# Altium PCB roach2.PcbDoc (part 8 of 39)
Units mil, origin at the board's own origin, x right, y up, seen from the top; angles counter-clockwise.
Board outline 12007.87 x 9606.3 mil, 16 copper layers (L1_TOP, L2_G, L3_S, L4_G, L5_S, L6_P, L7_G, L8_R, L9_R, L10_P, L11_P, L12_S, L13_P, L14_S, L15_G, L16_BOT), stack 81.651 mil thick; 1608 components, 1934 nets, 9335 pads, 6759 vias.
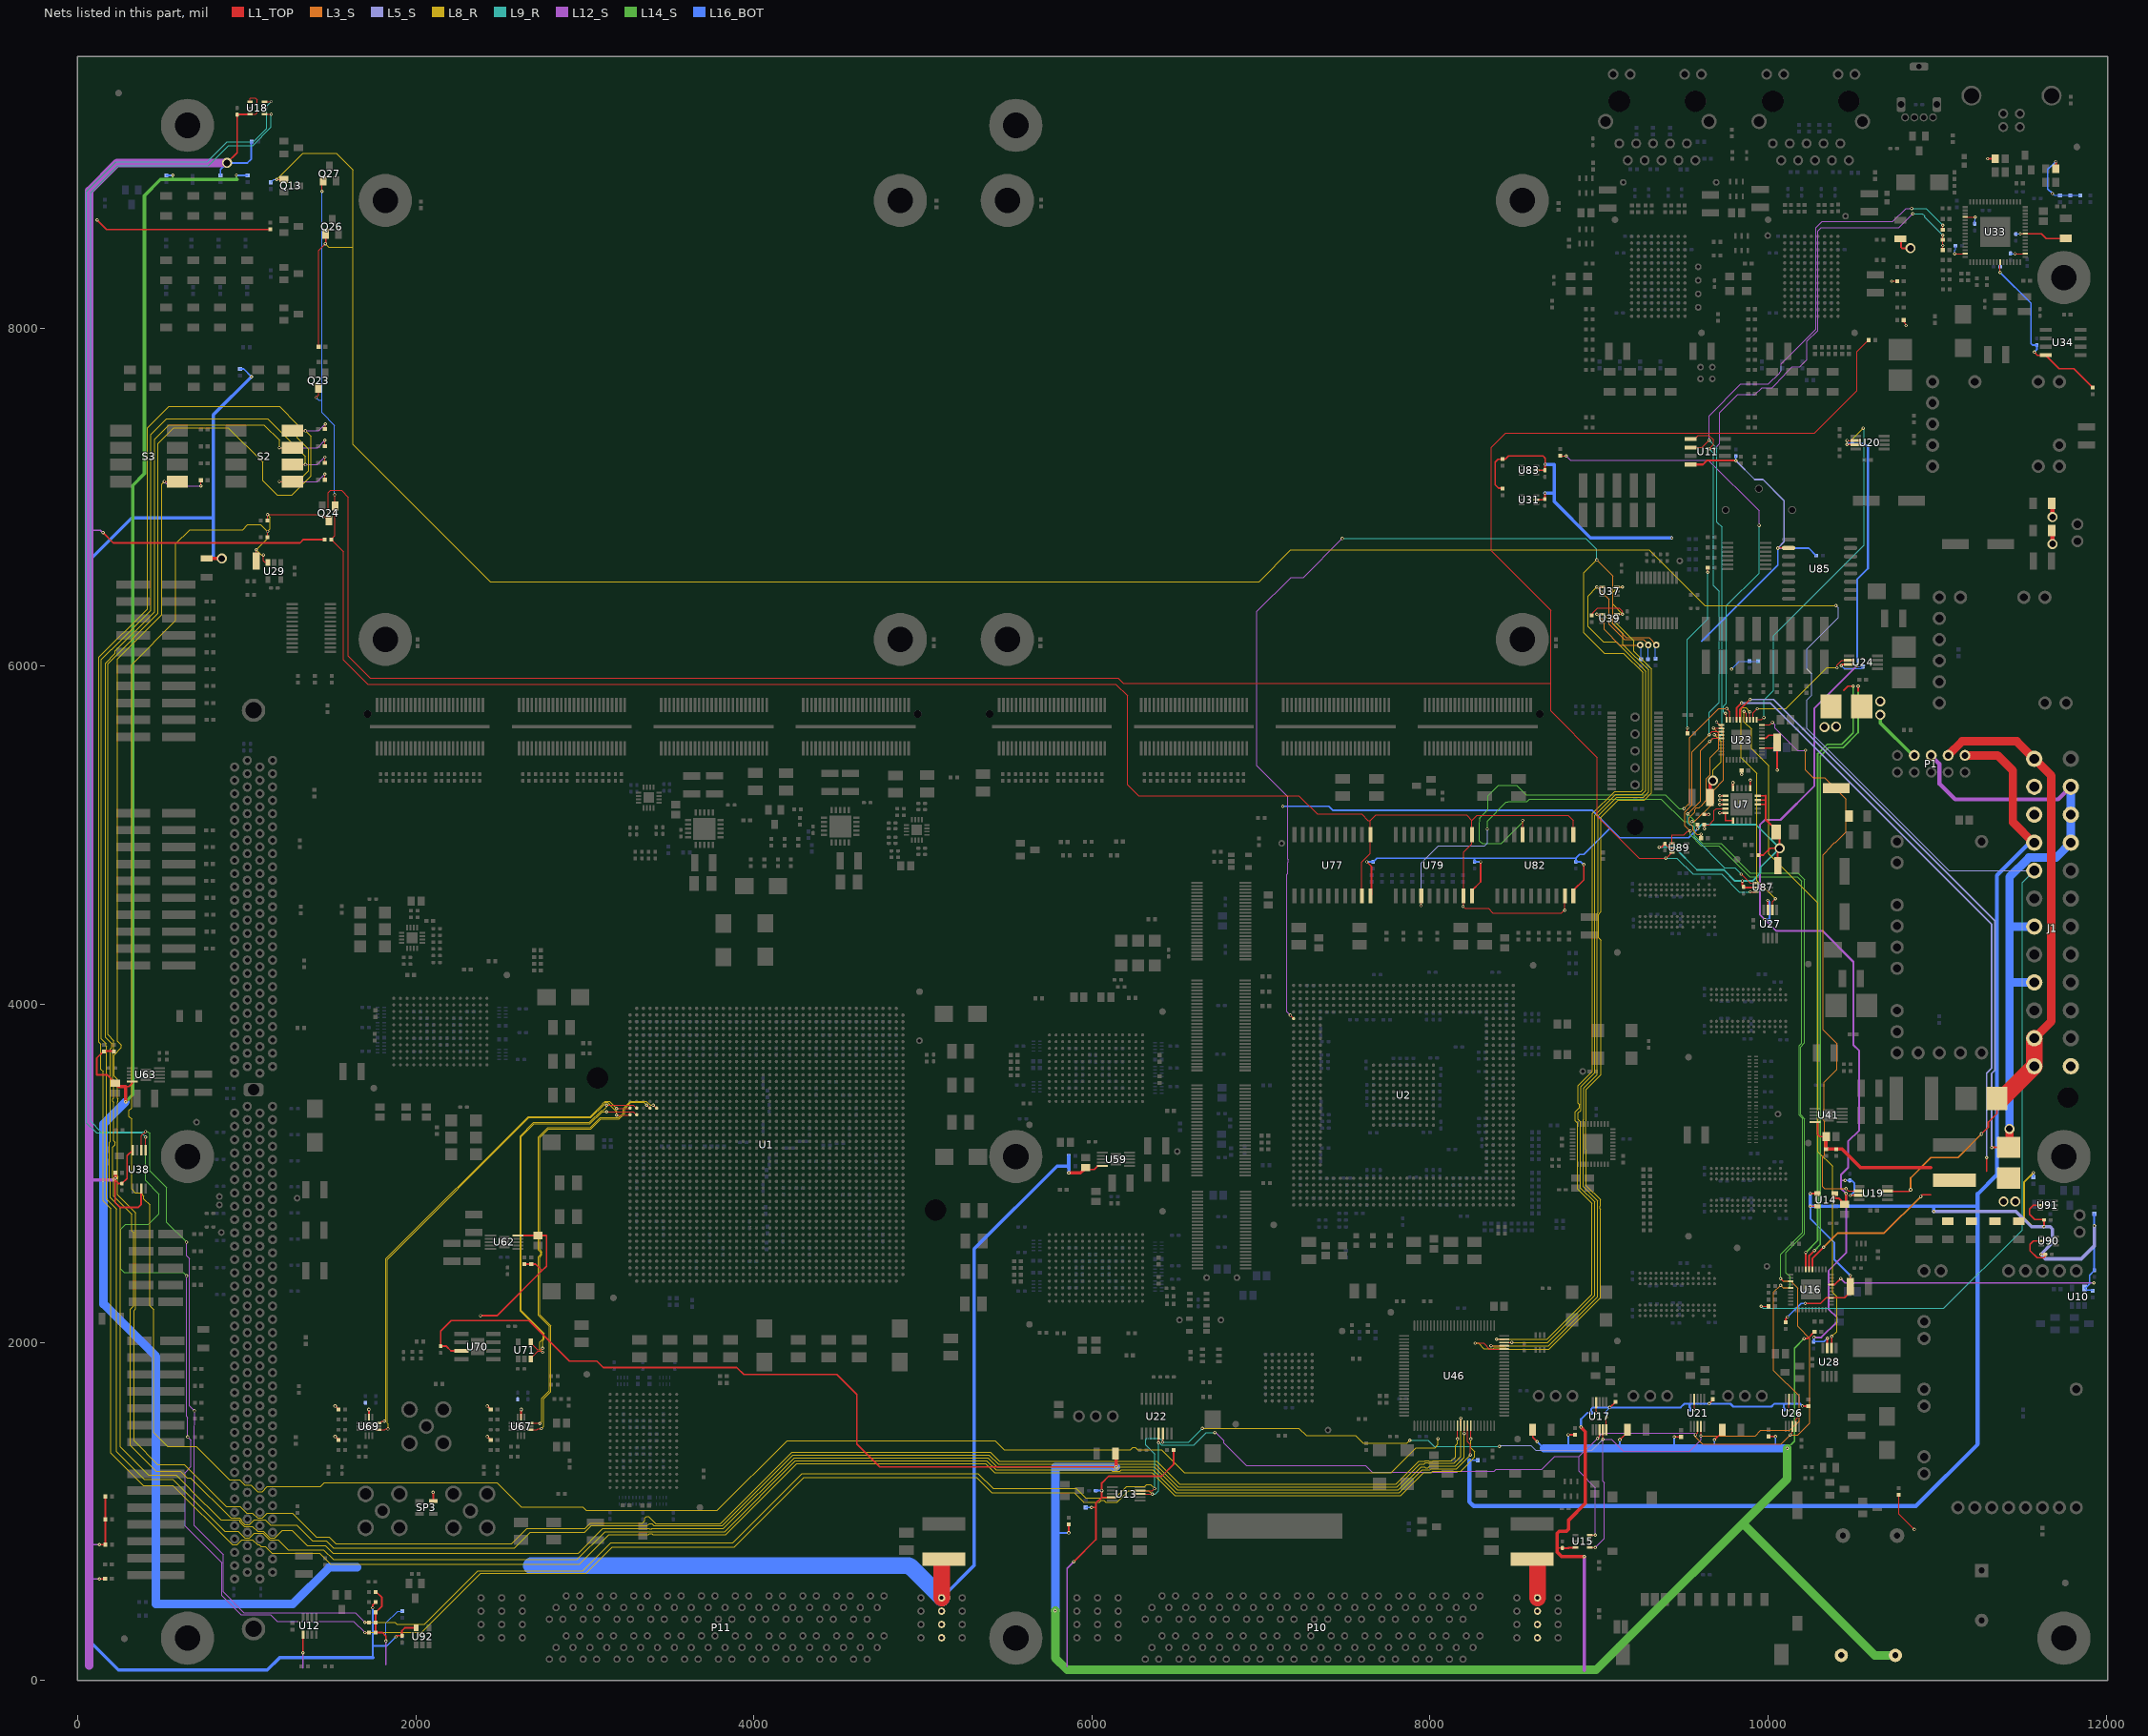
[diagram p22: the nets of this part, all layers, seen from the top]

## Via types
v1: diameter 19.4, hole 10, L1_TOP to L16_BOT, tented both sides, 3354 vias
v2: diameter 19.4, hole 10, L1_TOP to L16_BOT, 1884 vias
v3: diameter 19.4, hole 10, L1_TOP to L16_BOT, tented top, 410 vias
v4: diameter 18.6, hole 10, L1_TOP to L16_BOT, tented both sides, 311 vias
v5: diameter 59.06, hole 39.37, L1_TOP to L16_BOT, 217 vias
v6: diameter 19, hole 10, L1_TOP to L16_BOT, 198 vias
v7: diameter 19.4, hole 10.04, L1_TOP to L16_BOT, 125 vias
v8: diameter 19.4, hole 10, L1_TOP to L16_BOT, tented bottom, 80 vias
v9: diameter 25.98, hole 12.99, L1_TOP to L16_BOT, tented top, 59 vias
v10: diameter 20, hole 10, L1_TOP to L16_BOT, 52 vias
v11: diameter 59.06, hole 39.37, L1_TOP to L16_BOT, tented top, 44 vias
v12: diameter 20, hole 10, L1_TOP to L16_BOT, tented top, 16 vias
v13: diameter 19, hole 10, L1_TOP to L16_BOT, tented top, 5 vias
v14: diameter 50, hole 28, L1_TOP to L16_BOT, 4 vias

## Nets (pads, with @x,y where several pads share a name; then routed paths per layer and width w, separated by ;. In a path a pad name is that pad's centre, name@x,y a point inside that pad or via, vN(x,y) a via of type N, cw(c..) or ccw(c..) an arc to the next point about the centre after c; other vN are vias at no path point) (continued)
3V3AUX: C23.1 C24.2 C42.2 C44.2 C46.2 C172.2 C173.2 C174.2 C175.2 C180.2 C188.2 C191.2 C370.2 C378.2 C380.2 C732.2 C741.2 C744.2 C774.2 C777.2 C778.2 C779.2 DS28.2 L18.1 L19.1 R12.2 R17.2 R32.2 R33.2 R35.2 R39.2 R40.2 R42.2 R49.2 R50.2 R54.2 R57.2 R63.2 R132.2 R133.2 R134.2 R135.1 R140.2 R224.1 R225.2 R257.1 R289.2 R348.2 R451.2 R453.1 R454.1 R455.1 R456.1 R461.2 R466.1 R469.1 U7.1 U7.18 U7.19 U7.20 U12.1 U13.9 U15.3 U16.37 U17.5 U17.9 U18.1 U18.3 U21.9 U26.9 U31.5 U33.20 U33.31 U33.42 U33.50 U33.56 U34.8 U38.3 U38.8 U77.20 U79.20 U82.20 U83.5 U87.5 U89.5 | length 34167.1
  L1_TOP w5: U18.3@1019.68,9265.59 1052.99,9265.59 1062.99,9275.59 1062.99,9350.39 1051.18,9362.2 1023.62,9362.2 1019.68,9358.27 U18.1@1019.68,9340.39 ; C370.2@8675.31,6985 C370.2@8680,6989.69 ; v2(8983.31,1582.68) U17.9@8983.31,1643.7 ; U17.5@9042.36,1482.28 v2@9042.36,1556.36 ; v2(9563.31,1602.68) U21.9@9563.31,1663.7 ; v3(9583.31,5039.46) R12.2@9583.31,5062.99 ; v2(10123.31,1602.68) U26.9@10123.31,1663.7 ; v6(10732,8278) R461.2@10763.31,8278 ; R451.2@10802.68,8047.99 10802.68,8036.18 10816,8022.86 v6(10816,8016) ; v2(11104.38,8441.04) U33.31@11164.84,8441.04 ; U33.20@11164.84,8657.57 v3(11225.3,8657.57) ; v2(11372.52,8330.38) U33.42@11372.52,8390.84 ; v3(11460.68,8441.04) U33.50@11521.14,8441.04 ; v3@11493.65,8559.15 U33.56@11521.14,8559.15
  L1_TOP w10: v6(115,8640) 170.71,8584.29 1138.98,8584.29 R225.2@1140,8585.31 ; v10(127.99,802.99) R456.1@163.31,802.99 163.31,952.68 R454.1@162.99,952.99 ; v6(129,601) R455.1@162.32,601 ; v6(150,6790) 210,6730 1315,6730 1335,6750 R257.1@1460.32,6750 ; R453.1@162.99,1082.99 163.31,1082.68 R454.1@163.31,952.99 ; v6@222,2971.25 222,2827 250,2799 358.58,2799 375.79,2816.21 U38.3@375.79,2909.8 ; v6(223.27,2972.52) 223.27,2956.73 240.31,2939.69 C42.2@262,2939.69 292,2969.69 292,3103.58 U38.8@324.61,3136.18 ; v5(882.99,8977.99) 942.99,9037.99 C46.2@942.99,9262.99 ; C46.2@942.99,9263.31 C46.2@942.99,9262.99 ; U18.3@1019.68,9265.59 945.59,9265.59 C46.2@942.99,9262.99 ; v10(1332.99,162.99) 1332.99,269.8 U12.1@1334.61,271.42 ; R39.2@1762.68,282.99 R40.2@1762.68,342.99 R32.2@1762.68,402.99 1800,440.31 1800,490 1767.01,522.99 R33.2@1762.99,522.99 ; R33.2@1762.68,522.68 R33.2@1762.99,522.99 ; R33.2@1762.68,522.99 R33.2@1762.99,522.99 ; R39.2@1767.99,282.99 1802.99,282.99 1822.99,262.99 v10(1822.99,232.99) ; v10(5892.99,702.99) 6022.99,832.99 6022.99,1022.99 ; v10(5997.99,1022.99) 6022.99,1022.99 ; U13.9@6122.28,1083.31 6057.99,1083.31 ; R57.2@6482.99,1362.99 6482.99,1277.99 6412.99,1207.99 6097.99,1207.99 6057.99,1167.99 v10(6057.99,1122.99) 6057.99,1083.31 ; v6(7626,4843) 7653.69,4815.31 7653.69,4647.59 U77.20@7647.99,4641.89 ; U79.20@8247.99,4641.89 8247.99,4673.35 8299.2,4724.55 v6(8299.2,4842.51) ; R466.1@8429,7054 8405,7054 8385,7074 8385,7207 8403,7225 8427.31,7225 R469.1@8429,7226.68 8446.68,7226.68 8464,7244 8669,7244 8682,7231 v6(8682,7195) ; U31.5@8628.31,6985 C370.2@8675.31,6985 ; U83.5@8628.31,7160 8679.69,7160 v6@8679.69,7192.69 ; C370.2@8680,6989.69 v6(8680,7025) ; 8751.97,783.46 8752.13,783.31 C44.2@8782.99,783.31 ; C44.2@8782.99,782.99 8817.99,782.99 ; 8820.87,782.99 8817.99,782.99 ; U82.20@8847.99,4641.89 8847.99,4674.76 8909.45,4736.22 v6(8909.45,4826.77) ; U15.3@8859.68,785.59 8820.59,785.59 8817.99,782.99 ; v2@9042.36,1556.36 v2(9042.99,1556.99) ; v2(9063.03,1614.99) 9064.68,1614.99 R42.2@9097.99,1648.31 ; v6(9355,4930) 9370.31,4930 C380.2@9390,4949.69 9414.68,4925 U89.5@9431.69,4925 ; v2(9651.89,1636.99) 9672.99,1658.09 R54.2@9672.99,1663.31 ; v6(9847.5,4730) 9847.5,4702.18 C378.2@9855,4694.69 9858.68,4691 U87.5@9925.69,4691 ; U7.1@9894.17,5278.46 v3(9894.17,5325.99) ; U7.18@9938.46,5182.99 9985.99,5182.99 ; U7.19@9938.46,5208.58 9985.99,5208.58 ; U7.20@9938.46,5234.17 9985.99,5234.17 ; R17.2@9942.68,4882.99 9971.81,4882.99 10011.81,4922.99 v5(10067.99,4922.99) ; v2(10203.03,1622.99) 10237.68,1622.99 R63.2@10237.99,1623.31 ; U16.37@10372.09,2342.52 10394.52,2342.52 v6(10430,2378) ; v2(11298.68,9002.68) L18.1@11343.46,9002.68 ; U33.56@11521.14,8559.15 11522.13,8558.16 11617.07,8558.16 11644.29,8530.94 DS28.2@11760.41,8530.94 ; v6(11574.8,7858.27) 11593.07,7840 U34.8@11642.64,7840 11722.64,7760 11809.69,7760 R135.1@11920,7649.69 ; 6022.99,1022.99 6022.99,1047.99 6057.99,1082.99 6057.99,1083.31
  L1_TOP w12: 9985.99,5234.17 9985.99,5208.58 9985.99,5182.99 9985.99,5092.75 10048.82,5029.92 C23.1@10048.82,5020 10067.99,5000.83 v5(10067.99,4922.99) 10056.85,4911.85 C24.2@10056.85,4820 ; L19.1@11702.52,8943.31 v2(11702.52,8985.62)
  L1_TOP w20: v6@223.31,2972.55 R140.2@223.31,3002.99 ; v2(8892.99,1498.99) 8919.29,1472.69 8919.29,1047.24 8820.87,948.82 8820.87,895.67 8807.09,881.89 8763.78,881.89 8751.97,870.08 8751.97,783.46 8751.97,759.84 8778.82,732.99 v10(8912.99,732.99)
  L9_R w10: v6(9355,4930) 9445,4930 9580,4795 9740,4795 9805,4730 v6(9847.5,4730) 9908.01,4730 9955,4776.99 9955,4810 v5(10067.99,4922.99) 9927.99,5062.99 9606.83,5062.99 v3(9583.31,5039.46)
  L12_S w10: 67.99,603 69.99,601 v6(129,601) ; 67.99,6805 135,6805 v6(150,6790) ; 77.99,802.99 v10(127.99,802.99) ; 1332.99,72.99 v10(1332.99,162.99) ; 1822.99,92.99 v10(1822.99,232.99) ; 5852.99,82.99 5852.99,662.99 v10(5892.99,702.99) ; v6(10430,2378) 10456,2352 v6(11928,2352)
  L12_S w20: 67.99,2960 210.75,2960 v6(223.27,2972.52) v6@223.27,2971.73 ; 8912.99,57.99 v10(8912.99,732.99)
  L12_S w50: 67.99,87.99 67.99,603 67.99,2960 67.99,6805 67.99,8812.99 232.99,8977.99 v5(882.99,8977.99)
  L16_BOT w5: R289.2@1025.91,9101.09 R289.2@1029.81,9104.99 ; v10(1822.99,232.99) 1822.99,339.99 1892.69,409.69 R348.2@1920,409.69 ; v2(9042.99,1556.99) 9042.99,1593.31 v2@9064.68,1615 ; v6(9784,5983) 9830.69,6029.69 R50.2@9940,6029.69 ; v2(11104.38,8441.04) 11104.38,8462.38 11108.31,8466.31 C174.2@11108.31,8487.99 ; C175.2@11222.99,8617.68 11222.99,8636.99 11225.3,8639.3 v3(11225.3,8657.57) ; v2(11372.52,8330.38) 11372.68,8330.54 C173.2@11372.68,8362.99 ; C180.2@11432.99,8442.68 11434.63,8441.04 v3(11460.68,8441.04) ; C172.2@11465.99,8557.68 11467.46,8559.15 v3(11491.65,8559.15) ; v2(11680.99,8796.99) 11692.31,8785.68 R133.2@11726.99,8785.68 R132.2@11786.99,8785.68 R134.2@11846.99,8785.68
  L16_BOT w8: v2(11680.99,8796.99) 11654.99,8822.99 11654.99,8938.1 v2(11702.52,8985.62)
  L16_BOT w10: R224.1@845,8904.68 845,8940 v5(882.99,8977.99) 1004.31,8977.99 1025.91,8999.59 R289.2@1025.91,9101.09 ; R35.2@5962.99,1023.31 5997.68,1023.31 v10(5997.99,1022.99) ; C774.2@6022.68,1122.99 v10(6057.99,1122.99) ; v6(7129,5172) 7401,5172 7426,5147 8960,5147 9121,4986 9529.84,4986 v3(9583.31,5039.46) ; v6(7626,4843) 7626.32,4842.68 C732.2@7662.99,4842.68 7685.24,4864.93 8268.93,4864.93 ; v6@8299.03,4842.68 C741.2@8262.99,4842.68 8262.99,4858.99 8268.93,4864.93 ; C744.2@8862.82,4842.51 C744.2@8862.99,4842.68 ; v6(8909.45,4826.77) 8893.54,4842.68 C744.2@8862.99,4842.68 ; C777.2@8952.99,1582.68 v2(8983.31,1582.68) ; 9062.16,5040 8909.45,4887.29 8885.36,4887.29 8862.99,4864.93 ; C778.2@9537.99,1602.68 v2(9563.31,1602.68) ; v2@11372.68,8330.54 11555.12,8148.1 11555.12,7909.45 11564.25,7900.32 C188.2@11590,7900.32 11590,7873.46 v6(11574.8,7858.27) ; 8268.93,4864.93 8862.99,4864.93 ; C744.2@8862.99,4842.68 8862.99,4864.93
  L16_BOT w12: v2(8892.99,1498.99) 8892.99,1544.99 8930.68,1582.68 C777.2@8952.99,1582.68 8952.99,1603.99 8964,1615 9064.68,1615 9483,1615 9505,1637 9536,1637 ; C778.2@9537.99,1602.68 9536,1604.67 9536,1637 ; v2(10123.31,1602.68) C779.2@10092.99,1602.68 10093,1636 ; v2(10203.03,1622.99) 10190.02,1636 10093,1636 ; 9536,1637 9777,1637 9794,1620 10020,1620 10036,1636 10093,1636
  L16_BOT w20: v6(8680,7025) 8735,7025 ; v6(8682,7195) 8684,7193 8735,7193 8735,7025 ; v6(9430,6760) 8950,6760 8735,6975 8735,7025
3V3MON: J1.1 J1.2 J1.12 J1.13 P1.4 R28.1 U19.3 | length 3784
  L1_TOP w10: U19.3@10706.65,2895.79 10702.99,2892.99 10832.99,2892.99 v10(10842.99,2902.99) ; v10(11262.99,3232.99) 11302.99,3272.99 11302.99,3302.99 11353.54,3353.54 R28.1@11353.54,3442.99
  L1_TOP w50: P1.4@11064.88,5472.99 11147.89,5556 11471.16,5556 11676,5351.16 11676,3900.17 J1.2@11574.72,3798.9
  L1_TOP w100: R28.1@11353.54,3442.99 11384.17,3442.99 J1.1@11574.72,3633.54 J1.2@11574.72,3798.9
  L3_S w10: v10(10842.99,2902.99) 10842.99,2972.99 10962.99,3092.99 11122.99,3092.99 v10(11262.99,3232.99)
3V8AUX: C43.2 C47.2 C49.2 C54.2 C55.2 C57.2 U14.5 U19.7 U20.7 U24.7 U27.7 U28.7 | length 7374.9
  L1_TOP w10: U27.7@9999,4559.66 v6(9999,4615) ; U28.7@10350.2,1966.65 10350.2,2024.2 v6(10351,2025) ; v6(10433,6003) 10440.2,6010.2 U24.7@10479.33,6010.2 ; v6(10466,7312) 10517.53,7312 U20.7@10519.33,7310.2 ; v6(10487,2869) 10488.2,2870.2 U19.7@10539.33,2870.2
  L1_TOP w12: U14.5@10394.77,2880.99 10394.77,2853.23 10417.28,2853.23 C43.2@10452.99,2817.52 10460.99,2825.52 v2(10460.99,2880.99)
  L12_S w10: v8(10271.31,2029.31) 10315.31,2029.31 10407,2121 10407,2148 10360.12,2194.88 10358.29,2194.88 10358.29,2425.29 10462,2529 v2@10462,2879.98 ; 10431.31,2958.31 v6(10456.31,2958.31)
  L12_S w12: v2(10460.99,2880.99) 10430.99,2910.99 10430.99,2990.99 10472.99,3032.99 10472.99,3188.99 10538.99,3254.99 10538.99,3724.99 10504.99,3758.99 10504.99,4250.99 10320.99,4434.99 10046.99,4434.99 v2(9980.99,4500.99) 9950.99,4530.99 9950.99,5060.99 9980.99,5090.99 10072.99,5090.99 10272.99,5290.99 10272.99,5749.41 v10(10526.57,6002.99)
  L16_BOT w5: v6(10433,6003) 10450,5986 10550.69,5986 C54.2@10562.99,5998.31 v10@10533.26,5998.31 ; v6(10466,7312) 10466,7316 v6@10466.1,7316.1
  L16_BOT w10: C57.2@10271.31,2005.99 v8(10271.31,2029.31) ; C57.2@10274,2004.65 10331.65,2004.65 10351,2024 v6(10351,2025) ; v6(10456.31,2958.31) C47.2@10483,2958.31 10494.69,2958.31 10511,2942 10511,2893 v6(10487,2869) ; v6@10466.1,7316.1 C49.2@10497.99,7316.1
  L16_BOT w12: v2(9980.99,4500.99) 10000.31,4500.99 C55.2@10008.31,4492.99 10008.31,4605.69 v6(9999,4615) ; C49.2@10497.99,7316.1 10571.9,7316.1 10590.99,7297.01 10590.99,6578.99 10526.57,6514.57 v10(10526.57,6002.99)
5V: C31.1 C216.2 C566.2 C626.2 C661.2 C671.1 C672.1 C718.2 C722.2 F6.2 L4.1 L5.1 L6.1 L7.1 P10.W2 P10.X2 P10.Y2 P10.Z2 P11.W2 P11.X2 P11.Y2 P11.Z2 R13.2 R15.2 R25.2 R189.2 R191.2 R323.1 R324.1 R374.1 R375.1 R380.1 R382.1 R420.1 R421.2 R437.1 R439.1 R440.2 R444.1 SP3.4 U16.5 U23.7 U41.10 U59.10 U62.10 U63.10 U67.2 U69.2 | length 24202
  L1_TOP w5: R15.2@10772.99,1098.31 10772.99,984.99 v2(10864.99,892.99)
  L1_TOP w10: R380.1@212.99,3722.99 152.99,3722.99 112.99,3682.99 112.99,3582.99 172.52,3582.99 C661.2@222.99,3532.52 ; 282.99,3512.99 302.99,3512.99 322.28,3532.28 U63.10@322.28,3543.62 ; v12(1522.99,1442.99) 1523.31,1442.99 R440.2@1543.31,1422.99 ; v12(1522.99,1622.99) 1523.31,1622.99 R439.1@1543.31,1602.99 ; U69.2@1722.99,1554.17 1722.99,1592.99 ; SP3.4@2104.33,1060.79 v10@2104.33,1111.65 ; v2(2382.99,2157.99) 2479.99,2157.99 2746.99,2424.99 ; v12(2422.99,1442.99) 2442.99,1422.99 R421.2@2443.31,1422.99 ; v12(2422.99,1622.99) 2423.31,1622.99 R420.1@2443.31,1602.99 ; U62.10@2603.7,2632.36 2722.83,2632.36 C626.2@2722.99,2632.52 ; U67.2@2622.99,1554.17 2622.99,1592.99 ; R374.1@2642.99,2463.31 R375.1@2682.99,2463.31 2708.68,2463.31 2746.99,2424.99 ; C626.2@2737.99,2632.99 2737.36,2632.36 2772.99,2632.36 2772.99,2450.99 2746.99,2424.99 ; C566.2@5952.99,3022.99 6012.99,3022.99 U59.10@6032.99,3042.99 ; U23.7@9813.46,5684.09 9813.46,5753.46 v2(9842.99,5782.99) ; U16.5@10262.83,2432.09 10262.83,2497.83 v6(10327.99,2562.99) ; U41.10@10292.99,3302.99 10292.99,3230.59 10305.59,3217.99 C216.2@10343.46,3217.99 ; F6.2@10782.99,8527.87 10786,8524.87 10786,8480 10793.01,8472.99 v5(10842.99,8472.99) ; v2(10902.99,2862.99) 10912.99,2872.99 10962.99,2872.99 ; 11292.99,3012.99 v2(11292.99,3092.99)
  L1_TOP w20: C661.2@232.99,3522.99 242.99,3512.99 282.99,3512.99 v10(282.99,3422.99) ; v10(5862.99,3002.99) 5932.99,3002.99 C566.2@5952.99,3022.99 ; C216.2@10342.99,3202.99 10342.99,3142.99 10437.99,3142.99 10547.99,3032.99 10962.99,3032.99
  L1_TOP w100: P11.Z2@5110.87,488.58 5110.87,700.87 C671.1@5112.99,702.99 ; C672.1@8632.99,702.99 8635.87,700.12 P10.Z2@8635.87,488.58
  L3_S w10: v6(10327.99,2562.99) 10412,2647 10687,2647 v2(10902.99,2862.99)
  L5_S w10: v2(9842.99,5782.99) 10012.81,5782.99 11322.99,4472.81 11322.99,3622.99 11292.99,3592.99 v2(11292.99,3092.99)
  L14_S w10: v6(563,8905) 563,8882 565,8880 ; 939,8883 v6(939,8906)
  L14_S w20: v10(282.99,3422.99) 325,3465 325,7070 395,7140 395,8785 490,8880 565,8880 942,8880
  L16_BOT w10: R437.1@525,8904.68 v6@563,8904.68 ; v6@940.32,8904.68 R444.1@1005,8904.68
  L16_BOT w20: P11.Z2@5110.87,488.58 5302.99,680.71 5302.99,2552.99 5792.99,3042.99 5862.99,3042.99 R323.1@5862.99,3102.99 ; v10(5862.99,3002.99) 5863.31,3003.31 R324.1@5863.31,3042.99
  L16_BOT w50: v10(282.99,3422.99) 152.99,3292.99 152.99,2227.01 462.99,1917.01 462.99,452.99 1272.99,452.99 1489.29,669.29 1653.54,669.29
  L16_BOT w100: 2682.99,679.99 4915.99,679.99 4922.99,672.99 ; 4926.46,672.99 P11.Z2@5110.87,488.58
  other v5: 11392.99,2832.99 11462.99,2832.99
  other v10: 2102.99,1112.99 1722.99,1602.99 2622.99,1602.99
5VAUX: C21.2 C22.2 C391.2 C487.2 C491.2 C492.2 C493.2 C494.2 C775.2 C776.2 F5.1 J1.9 P1.2 R31.2 R34.2 R41.1 R58.2 R249.1 R346.2 R370.2 R449.1 U7.5 U7.6 U7.7 U7.8 U7.10 U7.11 U10.5 U11.8 U14.1 U14.3 U16.33 U23.14 U23.33 U23.36 U85.2 U90.5 U91.5 U92.5 | length 27269.7
  L1_TOP w5: v10(9681.48,5594.52) U23.14@9723.9,5594.52 ; v3(9843.31,5359.46) R58.2@9843.31,5382.99
  L1_TOP w10: v6(1745,429.59) 1745,445.31 R34.2@1762.68,462.99 ; v6(1882,258) 1888.69,264.69 C493.2@1918,264.69 1918,294 1935.18,311.18 U92.5@2002.6,311.18 ; C22.2@9622.68,5122.99 v10(9647.99,5122.99) ; v10(9714.57,5183.07) 9714.65,5182.99 U7.8@9747.52,5182.99 ; v10(9714.57,5208.66) 9714.65,5208.58 U7.7@9747.52,5208.58 ; v10(9714.57,5234.25) 9714.65,5234.17 U7.6@9747.52,5234.17 ; v10@9716.54,5131.89 9716.61,5131.81 U7.10@9747.99,5131.81 ; U7.10@9747.99,5132.99 U7.10@9747.99,5131.81 ; U7.10@9749.49,5131.81 U7.10@9747.99,5131.81 ; U7.5@9791.65,5278.46 9791.65,5311.34 v10(9791.73,5311.42) ; U7.11@9791.81,5087.52 9748.46,5087.52 9747.99,5087.99 U7.10@9747.99,5131.81 ; U23.33@9962.09,5515.78 C491.2@10053.84,5515.78 ; U23.36@9962.09,5574.83 9987.83,5574.83 10005,5592 C491.2@10053,5592 ; C491.2@10053.84,5550 10053.84,5476.16 10054,5476 v2(10054,5386) ; v10(10057.09,6698.82) 10058.07,6699.8 U85.2@10121.57,6699.8 ; R370.2@10105,2119.69 10105,2140 v6(10115,2150) ; v6(10220,2230) 10310,2230 10343.78,2263.78 U16.33@10372.09,2263.78 10452.78,2263.78 10486.85,2297.85 C487.2@10486.85,2330 v2(10486.85,2395.43) ; v10(10250,2805.12) 10250.47,2805.59 U14.3@10291.81,2805.59 ; v10(10250,2879.92) 10250.47,2880.39 U14.1@10291.81,2880.39 ; U91.5@11610.69,2811 11570.16,2811 11547,2787.84 11547,2757 11577,2727 11622.31,2727 11628.31,2721 C492.2@11632.31,2725 11632.31,2684.31 v2(11632,2684) ; v6(11614,2521) C391.2@11639.31,2521 11639.31,2510.31 11630,2501 11591,2501 11550,2542 11550,2580 11570,2600 U90.5@11616.69,2600
  L1_TOP w12: U11.8@9540.64,7194 9614,7194 9638,7218 9807.94,7218 v2(9809.21,7216.72)
  L1_TOP w20: F5.1@762.99,6638.11 852.87,6638.11 v5(852.99,6637.99) ; C21.2@9656.14,5201 C21.2@9659,5203.86 ; C21.2@9656.14,5222.99 9656.14,5306.14 v5(9672.99,5322.99)
  L1_TOP w50: P1.2@11164.88,5472.99 11357.72,5472.99 11448,5382.71 11448,5077.98 11572.99,4952.99 J1.9@11574.72,4956.38
  L5_S w10: v2(9809.21,7216.72) 9920.94,7105 9970,7105 10095,6980 10095,6736.73 v10(10057.09,6698.82)
  L5_S w20: v6(10980,2775) 11466.71,2775 11557.71,2684 v2(11632,2684) 11669,2684 11683,2670 11683,2590 v6(11614,2521) 11641,2494 11853,2494 11928.99,2569.99 v3(11928.99,2688.99)
  L8_R w5: v5(9672.99,5322.99) 9672.99,5384.99 9721,5433 9721,5555 v10(9681.48,5594.52)
  L8_R w10: v6(11569,3004) 11515,2950 11515,2735 11566,2684 v2(11632,2684)
  L16_BOT w5: v2(9809.21,7216.72) C775.2@9809.21,7243.31
  L16_BOT w10: R346.2@960,7759.69 981.31,7759.69 v2(1028,7713) ; v6@1745.9,430.5 v6(1745,429.59) 1745,204 ; 1748,134 1745,137 1745,204 ; v6(1882,258) 1828,204 1745,204 ; 8233,1303 8261,1303 R449.1@8283.31,1302.99 ; 9606.3,6147.64 10057.09,6598.43 v10(10057.09,6698.82) 10240.16,6698.82 10283.46,6655.51 C776.2@10284.96,6654.8 ; v6(10115,2150) 10195,2230 v6(10220,2230) ; R31.2@11569,2977.69 v6(11569,3004) ; R249.1@11920,2310 11883.58,2310 U10.5@11872.4,2321.18 11877.18,2321.18 11902,2346 11902,2397.68 C494.2@11931,2426.69 11928.99,2428.69 v3(11928.99,2688.99) R41.1@11928.99,2760
  L16_BOT w12: v10(10250,2805.12) 10250,2732 10391,2591 10391,2491.28 v2(10486.85,2395.43)
  L16_BOT w20: 802.99,6642.99 802.99,6877 ; v2(1028,7713) 802.99,7487.99 802.99,6877 ; 1748,134 1194,134 1121,61 241,61 83,219 83,6640 320,6877 802.99,6877 ; v10(10250,2879.92) v10(10250,2805.12) 10980,2805.12 ; v6(10980,2775) 10980,2805.12 ; 11240.16,2805.12 10980,2805.12
  L16_BOT w25: 8233,1303 8233,1056.5 8258,1031.5 10874.02,1031.5 11240.16,1397.64 11240.16,2805.12 11240.16,2877.95 11353.54,2991.34 11353.54,4762.54 11549.99,4958.99 J1.9@11572.99,4958.99
  other v10: 9714.57,5132.99
5VMON: J1.4 J1.6 J1.21 J1.22 J1.23 P1.6 R25.1 U23.6 | length 7247.4
  L1_TOP w10: U23.6@9832.99,5682.99 U23.6@9832.99,5684.09 ; U23.6@9833.15,5684.09 9833.15,5743.15 v2(9892.99,5802.99) ; v2(11322.99,3152.99) 11323.54,3153.54 R25.1@11422.99,3153.54
  L1_TOP w20: R25.1@11427.99,3207.99 R25.1@11432.99,3202.99
  L1_TOP w50: R25.1@11427.99,3207.99 v5(11427.99,3262.99)
  L5_S w10: v2(9892.99,5802.99) 10032.99,5802.99 11342.99,4492.99 11342.99,3612.99 11322.99,3592.99 v2(11322.99,3152.99)
  L12_S w25: P1.6@10964.88,5472.99 10964.88,5470.36 11013.57,5421.68 11013.57,5305.33 11106.43,5212.46 11716.64,5212.46 J1.23@11791.26,5287.09
  L16_BOT w50: v5(11427.99,3262.99) 11427.99,4134.99 ; J1.4@11574.72,4129.61 11433.38,4129.61 11427.99,4134.99 ; J1.6@11574.72,4460.31 11428.67,4460.31 11427.99,4460.99 ; J1.23@11791.26,5287.09 J1.22@11791.26,5121.73 J1.21@11791.26,4956.38 11703.13,4868.25 11542.74,4868.25 11427.99,4753.51 11427.99,4460.99 ; 11427.99,4134.99 11427.99,4460.99
12V: C30.1 C728.2 F1.1 F2.1 F3.1 F4.1 L1.1 L2.1 L3.1 R16.2 R24.2 R36.2 R43.2 R46.2 R55.2 R64.2 U16.7 U70.7 | length 19458.3
  L1_TOP w10: U70.7@2270.51,1950 2208,1950 2180.31,1977.69 C728.2@2147,1977.69 2147,2067 2208.99,2128.99 2668.99,2128.99 2908.99,1888.99 3070.99,1888.99 3108.99,1850.99 3899.01,1850.99 3940,1810 4490,1810 4608.99,1691.01 4608.99,1398.99 4744.99,1262.99 v10(6142.99,1262.99) ; v10(5862.99,872.99) R36.2@5862.99,923.31 ; F2.1@8607.87,1482.99 8607.87,1438.11 v10(8632.99,1412.99) ; v10@8818.31,1453.31 R43.2@8857.99,1453.31 ; v10(9122.99,1422.99) 9167.87,1467.87 F3.1@9167.87,1482.99 ; v10@9445.31,1441.31 R55.2@9484.99,1441.31 ; v10(9682.99,1422.99) 9727.87,1467.87 F4.1@9727.87,1482.99 ; R64.2@10002.99,1443.31 v10@10042.68,1443.31 ; v10(10212.99,2022.99) 10235.12,2022.99 R46.2@10275.12,2062.99 ; v6(10222.99,2532.99) 10223.46,2532.52 U16.7@10223.46,2432.09 ; 10447.99,5857.99 10472.99,5882.99 v10(10502.99,5882.99)
  L1_TOP w20: F1.1@6138.11,1342.99 6142.99,1342.99 v10(6142.99,1262.99)
  L1_TOP w25: L2.1@11672.99,6792.99 11682.99,6802.99 v5(11682.99,6722.99) ; v5(11682.99,6882.99) L1.1@11682.99,6962.99
  L14_S w10: v10(10112.99,1372.99) 10155.99,1415.99 10155.99,1965.99 v10(10212.99,2022.99) ; v6(10222.99,2532.99) 10292.99,2602.99 10292.99,5482.99 10294.71,5482.99 10349.71,5537.99 10434.71,5537.99 10502.99,5606.28 v10(10502.99,5882.99)
  L14_S w50: v10(5782.99,412.99) 5782.99,132.99 5852.99,62.99 8982.99,62.99 10112.99,1192.99 v10(10112.99,1372.99) ; 9854.99,924.99 10631.32,148.66 R16.2@10752.99,148.66
  L16_BOT w10: 5792.99,872.99 v10(5862.99,872.99) ; v10(8632.99,1412.99) 8672.99,1372.99 ; 8817.99,1392.99 v10(8817.99,1452.99) ; 9122.99,1372.99 v10(9122.99,1422.99) ; 9444.99,1380.99 v10(9444.99,1440.99) ; 9682.99,1372.99 v10(9682.99,1422.99) ; 10042.99,1382.99 v10(10042.99,1442.99)